# Altium PCB 宠物机器人&导购机器人.PcbDoc (part 13 of 14)
Units mil, origin at the board's own origin, x right, y up, seen from the top; angles counter-clockwise.
Board outline 6899.61 x 2204.72 mil, 2 copper layers (Top Layer, Bottom Layer); 229 components, 218 nets, 23463 pads, 263 vias.
Unrouted connection lines stored in the file: 107.
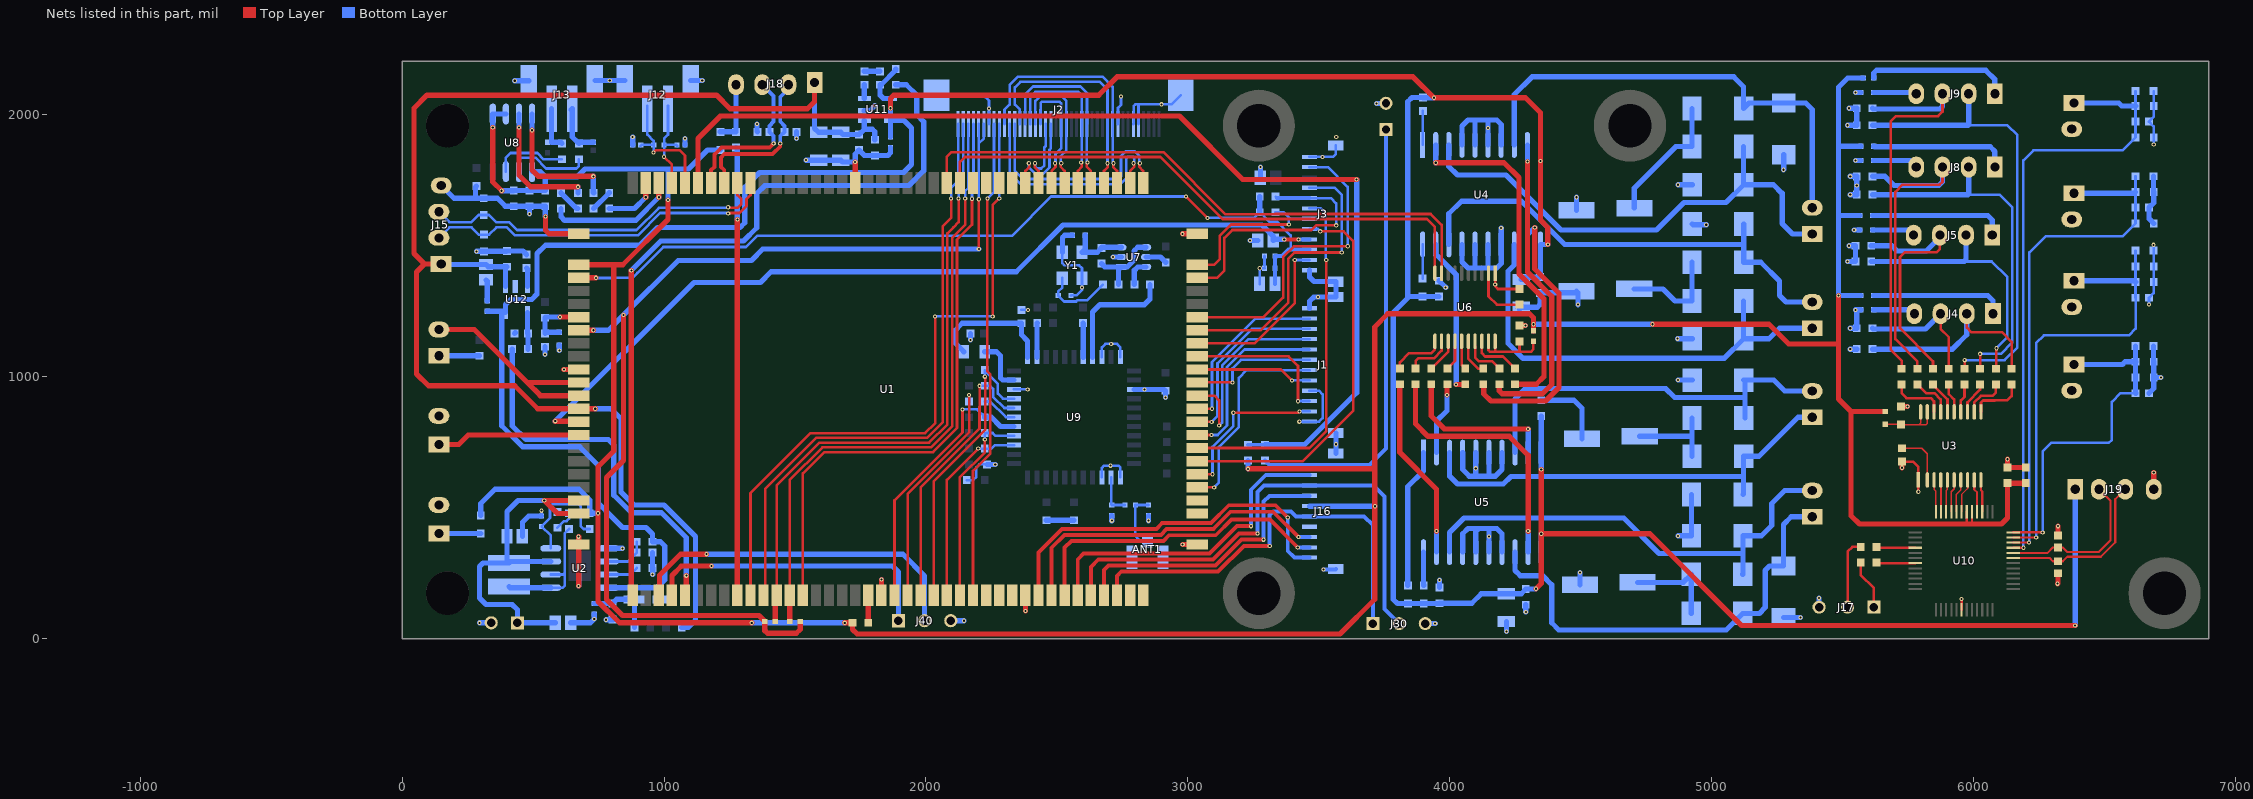
[diagram p13: the nets of this part, all layers, seen from the top]

## Via types
v1: diameter 16, hole 8, Top Layer to Bottom Layer, tented both sides, 263 vias

## Nets (pads, with @x,y where several pads share a name; then routed paths per layer and width w, separated by ;. In a path a pad name is that pad's centre, name@x,y a point inside that pad or via, vN(x,y) a via of type N, cw(c..) or ccw(c..) an arc to the next point about the centre after c; other vN are vias at no path point) (continued)
DC5V: C7.1 C8.2 C9.2 C15.1 C16.1 C18.2 C19.2 C44.2 C49.2 C55.1 C56.1 C57.2 J19.1 L1.1 R3.2 R28.2 R29.1 R30.2 R31.1 U2.8 U4.10 U4.11 U5.10 U5.11 U11.5 U12.5 | length 13986.6
  Top Layer w20: v1(1865,2025) 1865,2062.5 1877.5,2075 2660,2075 2730,2145 3860,2145 v1(3940,2065) 4290,2065 4347,2008 v1(4347,1823) 4347,1598 4375,1570 v1(4375,1505) ; v1(4330,190) 4350,210 v1(4350,400) ; v1(4350,645) v1(4350,400) ; v1(6389,50) 5115,50 4765,400 v1(4350,400)
  Bottom Layer w20: C49.2@325,1250 390,1250 U12.5@395,1245 395,1275 415,1295 495,1295 515,1315 515,1470 547,1502 906.54,1502 974.54,1570 1290,1570 1308,1588 1308,1723 1365,1780 1915,1780 1945,1810 1945,1950 1916.5,1978.5 U11.5@1865,1978.5 ; 380,1245 380,812.8 460.8,732 678,732 750,660 750,515 758.75,506.25 759.85,506.25 776.25,489.85 776.25,488.75 841,424 931,424 956,399 R3.2@956,369.5 986.24,369.5 1002.5,353.25 1002.5,223.25 973.5,194.25 887.5,194.25 ; C7.1@733.5,133.25 C8.2@802.5,133.25 818.75,149.5 C9.2@886,149.5 ; U2.8@787.5,194.25 887.5,194.25 ; L1.1@887.29,42.28 887.29,148.21 C9.2@886,149.5 ; C44.2@1865,1915 U11.5@1865,1978.5 ; v1(1865,2025) U11.5@1865,1978.5 ; v1(3940,2065) 3899,2065 R28.2@3898,2066 3856,2066 3840,2050 3840,1300 ; C15.1@3960,1306.5 3959.5,1306 R29.1@3897,1306 3846,1306 3840,1300 ; C56.1@4274,1371.15 4282.85,1380 C19.2@4345,1380 4347,1382 U4.11@4347,1505 v1(4375,1505) ; v1(4330,190) 4328.71,188.71 C57.2@4291,188.71 4273.44,171.15 C55.1@4217,171.15 4121.15,171.15 4084.5,134.5 C16.1@3961.25,134.5 3960.75,134 R31.1@3901.25,134 3900.54,133.29 R30.2@3841,133.29 3801,133.29 3785,149.29 3785,1245 3840,1300 ; v1(4347,1823) U4.10@4347,1884.92 ; U5.11@4350,330.08 v1(4350,400) ; v1@4350,647 U5.10@4350,710 C18.2@4350,850 ; v1(6389,50) J19.1@6389,570 ; C9.2@886,149.5 886,192.76 887.5,194.25
DM: D23.2 J19.2 U10.32 | length 620
  Top Layer w8: U10.32@6152.17,326.91 6182.17,326.91 6183.01,326.06 6282.56,326.06 6304,347.5 D23.2@6323,347.5 6342,347.5 6359.25,330.25 6479.25,330.25 6524,375 6524,526 J19.2@6480,570
DOVDD-CSI: C4.1 C5.1 C6.1 J3.10 R6.2 R7.1 U1.2 | length 3288.4
  Top Layer w10: v1(2993,1688) v1(3075,1606)
  Top Layer w20: U1.2@673.9,1377.4 v1(740,1377.4)
  Bottom Layer w10: 795,1377.4 879.93,1377.4 898,1395.47 898,1395.88 997.12,1495 1312.58,1495 1355.69,1538.11 2223.24,1538.11 2223.35,1538 2328,1538 2478,1688 v1@2991,1688 ; v1@3075,1607.5 3254.5,1607.5 R6.2@3275,1628 3311,1592 3340,1592 3393,1539 3393,1486 3394,1485
  Bottom Layer w12: v1(740,1377.4) 795,1377.4
  Bottom Layer w15: C5.1@3333.31,1354 C4.1@3333.31,1414 C6.1@3333.31,1461 3360,1461 3384,1485 3394,1485 J3.10@3465,1485
  Bottom Layer w20: R6.2@3275,1628 R7.1@3275,1688
DP: D24.2 J19.3 U10.31 | length 643.8
  Top Layer w8: U10.31@6152.17,307.22 6182.17,307.22 6183.01,308.06 6290.94,308.06 6304,295 D24.2@6323,295 6342,295 6359.25,312.25 6486.71,312.25 6542,367.54 6542,532 J19.3@6580,570
DVDD1V8-CSI: C2.1 J3.9 U1.13 | length 3316.8
  Top Layer w15: v1(3368.37,1524.37) v1(3422.63,1524.37)
  Top Layer w20: v1(584.6,830) 671.3,830 U1.13@673.9,827.4
  Bottom Layer w15: v1(3422.63,1524.37) J3.9@3465,1524.37
  Bottom Layer w20: v1(584.6,830) 1114.6,1360 1368.5,1360 1409.1,1400.6 2345.2,1400.6 2524.1,1579.5 3282.95,1579.5 3326.84,1535.61 C2.1@3326.84,1520 3331.21,1524.37 v1(3368.37,1524.37)
ECH1: J4.3 L4.2 R20.1 | length 508.1
  Top Layer w10: J4.3@5875,1240.37 5875,1182 5906.21,1150.79 R20.1@5906.21,1030.35
  Bottom Layer w20: L4.2@5615,1185 5617.63,1182.37 5817,1182.37 J4.3@5875,1240.37
ECH2: J5.3 L5.2 R17.1 | length 997
  Top Layer w10: R17.1@5846.21,1030.35 5846.21,1058.71 5720,1184.91 5720,1457 5738,1475 5860,1475 5872.21,1487.21 J5.3@5872.21,1540.35
  Bottom Layer w20: L5.2@5610,1500 5689,1500 5709,1480 5820,1480 5872.21,1532.21 J5.3@5872.21,1540.35
ECH3: J8.3 L8.2 R16.1 | length 1306.4
  Top Layer w10: R16.1@5786.21,1030.35 5786.21,1058.79 5702,1143 5702,1706 5729,1733 5871,1733 5882.21,1744.21 J8.3@5882.21,1800.35
  Bottom Layer w20: L8.2@5615,1765 5662.21,1765 5697.21,1730 5868,1730 5882.21,1744.21 J8.3@5882.21,1800.35
ECH4: J9.3 L9.2 R15.1 | length 1564.5
  Top Layer w10: R15.1@5726.21,1030.35 5726.21,1060.79 5684,1103 5684,1975 5704,1995 5865,1995 5882.21,2012.21 J9.3@5882.21,2080.35
  Bottom Layer w20: L9.2@5615,2025 5617.79,2022.21 5872.21,2022.21 5882.21,2032.21 J9.3@5882.21,2080.35
G2: U1.96 U6.9 | length 2296.7
  Top Layer w10: U1.96@2080,1739.8 2080,1840 2097,1857 2908,1857 3145,1620 3333.85,1620 3334.85,1621 3927.63,1621 3969.37,1579.26 U6.9@3969.37,1395
G3: U1.95 U6.10 | length 2189
  Top Layer w10: U1.95@2130,1739.8 2130,1820 2149,1839 2896,1839 3133,1602 3913,1602 3943.78,1571.22 U6.10@3943.78,1395
G4: U1.94
G5: U1.93
G6: U1.92
G7: U1.91
GND: ANT1.2 ANT1.3 C1.2 C2.2 C3.2 C4.2 C5.2 C6.2 C7.2 C8.1 C9.1 C10.1 C11.2 C12.2 C13.1 C14.2 C15.2 C16.2 C17.1 C18.1 C19.1 C20.2 C21.2 C22.1 C26.2 C27.2 C29.2 C31.2 C32.2 C33.2 C34.2 C35.2 C36.2 C37.2 C38.2 C39.2 C40.1 C41.1 C42.1 C44.1 C45.2 C46.2 C47.1 C48.1 C49.1 C50.2 C51.2 C52.1 C53.2 C54.2 C55.2 C56.2 C57.1 D5.1 D6.1 D7.1 D8.1 D13.1 D14.1 D15.1 D16.1 D19.2 D20.2 D21.1 D22.1 D23.1 D24.1 EC1.2 EC2.2 EC3.2 EC4.2 J1.1 J1.9 J1.12 J1.13 J1.14 J2.5 J2.6 J2.9 J2.34 J2.41 J2.42 J3.1 J3.12 J3.13 J3.14 J12.3 J12.4 J13.3 J13.4 J14.2 J15.4 J16.7 J16.11 J16.12 J17.3 J19.4 J20.2 J22.2 J30.3 J40.3 J50.2 L4.1 L5.1 L6.1 L7.1 L8.1 L9.1 L10.1 L11.1 L12.1 L13.1 L15.1 L17.1 L18.1 R2.1 R5.1 R10.2 R11.2 R18.2 R19.2 R41.2 R42.2 R47.2 R51.2 R54.2 R55.1 R56.2 R57.2 R61.2 R62.2 R65.2 R69.1 R70.1 R73.2 R81.1 R82.1 SW1.2 SW2.2 SW3.2 SW4.2 U1.9 U1.40 U1.51 U1.103 U1.121 U1.122 U1.123 U1.124 U2.5 U3.1 U4.4 U4.5 U4.6 U4.7 U4.14 U4.15 U4.16 U4.17 U5.4 U5.5 U5.6 U5.7 U5.14 U5.15 U5.16 U5.17 U6.1 U7.2 U9.1 U9.3 U9.20 U9.31 U9.33 U9.36 U10.18 U11.2 U12.2 Y1.2 Y1.4 | length 11712.4
  Top Layer w10: U6.1@4174.09,1395 v1(4174.09,1351.69) 4174.09,1345.39 4184.57,1334.92 C17.1@4266.73,1334.92 ; C13.1@5727.94,675.42 5769.58,675.42 5789.84,655.16 U3.1@5789.84,605.5 5789.84,560.16 v1(5790,560.31) ; U10.18@5955.32,110.37 v1(5955.32,150.68)
  Top Layer w20: v1(547,1612) 547,1559 560.49,1545.51 U1.121@673.9,1545.51 ; v1(617.4,1027.4) U1.9@673.9,1027.4 ; v1(673.9,201.1) U1.122@673.9,359.29 v1(673.9,388.9) ; U1.103@1730,1739.8 v1(1730,1820) ; U1.40@1830,165 v1(1830,225) ; v1(2380,105) U1.51@2380,165 ; v1(2980.51,1545.51) U1.124@3036.1,1545.51 ; v1(2980.71,359.29) U1.123@3036.1,359.29 ; C14.2@4266.73,1194.92 4266.81,1195 v1(4290,1195) ; C12.2@5723.94,885.92 v1(5749.08,885.92) ; v1(5727.94,652.06) C13.1@5727.94,675.42 ; v1(6130.5,684.5) C38.2@6130.5,653.37 C39.2@6200.5,653.37 ; v1(6322,209.38) 6323,210.38 D24.1@6323,249 ; D23.1@6323,393.5 v1(6323,429) ; J19.4@6689,570 v1(6689,634)
  Bottom Layer w10: C11.2@532.5,468.25 v1(532.5,488.25) ; J2.41@2040.16,2074.57 2220.43,2074.57 2240.94,2054.06 v1(2240.94,2024.06) J2.34@2240.94,1965 ; R73.2@2156,605 2180,605 2192.5,617.5 2192.5,653.04 2204.46,665 C54.2@2233.5,665 ; U9.20@2336.34,951.3 v1(2388.7,951.3) ; C48.1@2365,1255 v1(2390,1255) ; Y1.2@2521.18,1475 2521.18,1433.82 2530,1425 2585,1425 2595.98,1414.02 Y1.4@2595.98,1376.57 v1(2595.98,1340) 2595.98,1330.98 2575.5,1310.5 2554.5,1310.5 C20.2@2554,1310 ; U9.3@2671.97,615.67 2671.97,651.97 2680,660 v1(2705,660) 2735,660 2742.83,652.17 U9.1@2742.83,615.67 ; U9.31@2671.97,1074.33 2671.97,1111.97 2685,1125 v1(2707.5,1125) 2730,1125 2742.83,1112.17 U9.33@2742.83,1074.33 ; J2.9@2733.07,1965 2733.85,1965.78 2733.85,2026.87 2745,2038.01 v1(2745,2070) ; J2.6@2792.13,1965 2793.44,1966.32 2793.44,2033.44 2800,2040 2815,2040 ; J2.5@2811.81,1965 2811.81,2036.81 2815,2040 ; J2.42@2973.23,2074.57 2938.65,2040 v1(2900,2040) 2815,2040 ; C5.2@3274.26,1354 3274.26,1413.26 v1(3275,1414) C4.2@3293.31,1414 ; C6.2@3293.31,1461 3293.31,1424.39 3293.63,1424.08 ; v1(3426.15,828.15) J1.12@3465,828.15 3501.9,828.15 3515,841.25 3515,932 3500.74,946.26 J1.9@3465,946.26 ; J3.1@3465,1839.33 v1(3515,1839.33) 3554.33,1839.33 3565.79,1850.79 J3.13@3565.79,1882.64 ; v1(6671,1276) L15.1@6671,1301.25 6688.5,1318.75 C27.2@6688.5,1481.25 v1(6688.5,1503.5) ; C37.2@6688.5,2090.37 6688.5,2034.37 R57.2@6689,2033.87 6689,1991.87 L18.1@6671,1973.87 6689,1955.87 R62.2@6689,1913.87 v1(6689,1886)
  Bottom Layer w15: v1(3519,264) 3564.31,264 J16.12@3565.79,265.47
  Bottom Layer w20: J15.4@149,1730 197.5,1681.5 280,1681.5 ; v1(283.5,1478.5) D19.2@312.04,1478.5 398.5,1478.5 C53.2@400,1480 461,1480 R82.1@475,1466 ; L12.1@284,1728 280,1724 280,1681.5 ; v1(295,60) J14.2@340,60 ; C40.1@320,1369.47 325,1364.47 C49.1@325,1290 ; R81.1@429,1165 R81.1@432,1168 ; v1(430,2130) 483.03,2130 J13.3@484.03,2131 ; C10.1@459.06,390 459.06,444.06 483.25,468.25 C11.2@532.5,468.25 ; v1(486.25,1621.25) C34.2@486.25,1651 ; v1(545,1085) R55.1@545,1114 ; v1(547,1612) 546.25,1612.75 C29.2@546.25,1651 C34.2@486.25,1651 ; v1(600,1100) C33.2@600,1121 ; C32.2@643.53,60 719.24,60 v1(733.5,74.25) C7.2@733.5,93.25 ; v1(673.9,201.1) 673.9,274.65 677.5,278.25 ; J13.4@736,2131 v1(792.82,2131) J12.3@849.65,2131 ; v1(778,71.76) 803.99,71.76 C8.1@802.5,73.25 ; U2.5@787.5,344.25 v1(841.5,344.25) ; C22.1@880.31,1885 v1(880.31,1915) ; R5.1@956,328.5 R2.1@956,269.5 956.5,269.01 v1(956.5,244.5) ; C26.2@1080.31,1885 v1(1080.31,1910) ; J12.4@1101.61,2131 v1(1146,2131) ; v1(1355,1965) 1355,1936.5 D21.1@1356.5,1935 ; v1(1506,1910) D22.1@1506,1935 ; v1(1541.85,1826.85) C51.2@1590,1826.85 C50.2@1675,1826.85 1681.85,1820 v1(1730,1820) 1730,1850 C52.1@1745,1865 1765,1845 C45.2@1805,1845 1855,1845 1865,1855 C44.1@1865,1875 ; U11.2@1765,2015.5 1785.5,2015.5 v1(1805,2035) ; R70.1@1765,2166 R69.1@1825,2166 ; J40.3@2095,68 v1(2145,68) ; v1(2170,1140) C47.1@2170,1165 ; C54.2@2233.5,665 v1(2265,665) ; C46.2@2460,451.5 R65.2@2565,451.5 ; Y1.2@2521.18,1475 2521.18,1531.18 2530,1540 C31.2@2560,1540 ; v1(2710,450) C42.1@2710,470 ; v1(2714.43,1456.57) U7.2@2746.5,1456.57 ; U9.36@2795,951.3 v1(2835,951.3) 2909.7,951.3 R61.2@2915,946 v1(2915,920) ; v1(2850,450) C41.1@2850,470 ; v1(3238,1520) C2.2@3267.79,1520 ; C3.2@3277.47,1760 3278,1760.53 v1(3278,1801) ; J1.1@3465,1261.22 3465,1288 3481.53,1304.53 v1(3498,1304.53) J1.13@3565.79,1304.53 J3.14@3565.79,1362.95 3482.05,1362.95 3465,1380 J3.12@3465,1406.26 ; J16.11@3565.79,706.42 v1(3565.79,742) J1.14@3565.79,784.84 ; v1(3721,2043) 3756,2043 J50.2@3757,2044 ; J30.3@3907,57 v1(3945,57) ; C15.2@3960,1366.5 3985,1341.5 v1(3985,1340) ; v1(3961,223.29) 3961.25,223.04 C16.2@3961.25,194.5 ; U4.17@4047,1505 4047,1438 4070,1415 4095,1415 ; U4.4@4047,1884.92 4047,1957 4070,1980 4100,1980 ; U5.17@4050,330.08 4050,400 4070,420 4112.5,420 ; U5.4@4050,710 4050,645 4075,620 4100,620 ; U4.16@4097,1505 4097,1417 4095,1415 ; U4.5@4097,1884.92 4097,1977 4100,1980 ; U5.16@4100,330.08 4100,407.5 4112.5,420 ; U5.5@4100,710 v1(4100,650) 4100,620 ; U4.15@4147,1505 4147,1417 4145,1415 ; U4.6@4147,1884.92 v1(4147,1950) 4147,1977 4150,1980 ; U5.15@4150,330.08 v1(4150,390) 4150,415 4155,420 ; U5.6@4150,710 4150,620 ; v1(4197,1568) U4.14@4197,1505 4197,1432 4180,1415 4145,1415 ; U4.7@4197,1884.92 4197,1963 4180,1980 4150,1980 ; U5.14@4200,330.08 4200,400 4180,420 4155,420 ; U5.7@4200,710 4200,645 4175,620 4150,620 ; v1(4217,27) C55.2@4217,64.85 ; C56.2@4266.73,1257.58 C56.2@4274,1264.85 4334.85,1264.85 4345,1275 C19.1@4345,1320 4478.53,1320 EC2.2@4484.53,1326 4490,1320.53 v1(4490,1275) ; v1(4291,101) C57.1@4291,128.71 ; C18.1@4350,910 4475,910 4505.53,879.47 EC3.2@4505.53,763 ; EC1.2@4485,1635 v1(4485,1685) ; EC4.2@4497.53,205 v1(4497.53,252.53) ; v1(4870,1145) D15.1@4926.69,1145 ; v1(4872,392) D8.1@4923.69,392 D7.1@4923.69,550 ; v1(4872,987) D14.1@4926.69,987 ; v1(4872,1733) D5.1@4926.69,1733 ; D6.1@4926.69,1583 4929.69,1580 v1(4980,1580) ; D16.1@5275,80 v1(5340,80) ; v1(5275,1790) 5276,1791 D13.1@5276,1848.15 ; J17.3@5411,120 v1(5411,155) ; v1(5520,1440) L7.1@5550,1440 L5.1@5550,1500 v1(5525,1500) ; v1(5520,1960) L11.1@5555,1960 L9.1@5555,2025 v1(5525,2025) ; v1(5530,1105) L6.1@5555,1105 ; v1(5530,1185) L4.1@5555,1185 5555,1250 v1(5550,1255) 5550.16,1255.16 R10.2@5571,1255.16 ; v1(5530,1695) L10.1@5555,1695 v1(5555,1730) L8.1@5555,1765 v1(5530,1765) ; v1(5545,1560) R11.2@5566,1560 ; v1(5550,1825) R18.2@5571,1825 ; v1(5550,2085) R19.2@5571,2085 ; L13.1@6671,936.69 6689,954.69 R42.2@6689,996.69 ; C21.2@6688.5,1116.69 6688.5,1057.19 R41.2@6689,1056.69 R42.2@6689,996.69 ; C35.2@6688.5,1765.37 6688.5,1705.87 R54.2@6689,1705.37 6689,1663.37 L17.1@6671,1645.37 6671,1603.37 R56.2@6689,1585.37 ; v1(6716.69,996.69) R42.2@6689,996.69 ; 280,1681.5 D20.2@311.54,1681.5 363.5,1681.5 394,1651 C36.2@426.25,1651 C34.2@486.25,1651 ; 4095,1415 4145,1415 ; 4100,620 4150,620 ; 4100,1980 4150,1980 ; 4112.5,420 4155,420
  other v1: 3567,1915
HOST2_5V: C40.2 C45.1 C50.1 C51.1 C52.2 C53.1 J15.1 J18.1 L2.2 U1.12 U11.1 U12.1 | length 5458.8
  Top Layer w20: J15.1@149,1430 85,1430 ; v1(737.4,877.4) U1.12@673.9,877.4 517.6,877.4 430,965 100,965 55,1010 55,1400 85,1430 ; J18.1@1575,2124 1575,2050 1548,2023 1252,2023 1200,2075 95,2075 45,2025 45,1470 85,1430
  Bottom Layer w20: J15.1@149,1430 150.47,1428.53 C40.2@320,1428.53 328.53,1420 C53.1@400,1420 395,1415 U12.1@395,1345 ; v1(737.4,877.4) 797.6,877.4 836,839 836,559 885,510 1000,510 1120,390 1120,70 1092.28,42.28 L2.2@1067.5,42.28 ; J18.1@1575,2124 1575,1948.15 C51.1@1590,1933.15 C50.1@1675,1933.15 1683.15,1925 C52.2@1745,1925 1765,1945 ; U11.1@1765,1978.5 1765,1945 ; C45.1@1805,1905 1805,1935 1795,1945 1765,1945
HPL: C25.1 U1.118 | length 502.1
  Top Layer w20: v1(980,1685) U1.118@980,1739.8
  Bottom Layer w20: C25.1@606,1642 606,1611 620,1597 892,1597 v1(980,1685)
HPR: C28.1 U1.119 | length 211.6
  Top Layer w20: v1(930,1685) U1.119@930,1739.8
  Bottom Layer w20: C28.1@791,1642 887,1642 v1(930,1685)
INPUT1: R33.1 U4.2 | length 1330.9
  Top Layer w20: v1(3947,1817) 4208,1817 4265,1760 4265,1392.11 4360,1297.11 4360,1000 4330.92,970.92 R33.1@4250,970.92
  Bottom Layer w20: v1(3947,1817) U4.2@3947,1884.92
INPUT2: R34.1 U4.9 | length 1198
  Top Layer w20: R34.1@4190,970.92 4190,945 4200,935 4355,935 4390,970 4390,1306.71 4297,1399.71 v1(4297,1822)
  Bottom Layer w20: v1(4297,1822) U4.9@4297,1884.92
INPUT3: R35.1 U4.12 | length 1067.6
  Top Layer w20: 4130,955 4130,935 4158,907 4366.6,907 4418,958.4 4418,1318.31 4325,1411.31 v1(4325,1570)
  Bottom Layer w20: U4.12@4297,1505 4297,1542 v1(4325,1570)
INPUT4: R36.1 U4.19 | length 602.7
  Top Layer w20: v1(4025,970) 4059.06,970 R36.1@4059.98,970.92
  Bottom Layer w20: U4.19@3947,1505 3947,1468 4025,1390 v1(4025,970)
INPUT5: R37.1 U5.2 | length 278.1
  Top Layer w20: v1(3990,930) 3990,969.5 R37.1@3991.42,970.92
  Bottom Layer w20: U5.2@3950,710 3950,830 3990,870 v1(3990,930)
INPUT6: R38.1 U5.9 | length 601.6
  Top Layer w20: R38.1@3930,970.92 3930,850 3980,800 v1(4300,800)
  Bottom Layer w20: U5.9@4300,710 v1(4300,800)
INPUT7: R39.1 U5.12 | length 1000.5
  Top Layer w20: R39.1@3870,970.92 3870,820 3918,772 4228,772 4300,700 v1(4300,410)
  Bottom Layer w20: U5.12@4300,330.08 v1(4300,410)
INPUT8: R40.1 U5.19 | length 698.8
  Top Layer w20: R40.1@3810,970.92 3810,710 3950,570 v1(3950,410)
  Bottom Layer w20: U5.19@3950,330.08 v1(3950,410)
LCD-BL-EN: J2.33 U1.47 | length 1843.3
  Top Layer w10: U1.47@2180,165 2180,640.54 2246,706.54 2246,1008.7 2234,1020.7 2234,1679 v1(2235,1680)
  Bottom Layer w10: v1(2235,1680) 2260,1705 2260,1964.37 J2.33@2260.63,1965
LCD-PWM: J2.32 U1.30 | length 2579.2
  Top Layer w10: U1.30@1330,165 1330,555 1559,784 1997.18,784 2035,821.82 v1(2035,1230) ; v1(2255,1230) 2255,1655 v1(2280,1680)
  Bottom Layer w10: v1(2035,1230) v1(2255,1230) ; v1(2280,1680) 2280,1964.68 J2.32@2280.31,1965
LCDS0_VN3: J2.29 U1.81 | length 874.7
  Top Layer w10: v1(2817,1815) 2815,1813 2815,1801.14 2830,1786.14 U1.81@2830,1739.8
  Bottom Layer w10: J2.29@2339.37,1965 2339.37,1785.63 2370,1755 2735,1755 2745,1765 2745,1842.28 2762.72,1860 2798.28,1860 2815,1843.28 2815,1817 v1(2817,1815)
LCDS0_VP3: J2.30 U1.82 | length 874.6
  Top Layer w10: U1.82@2780,1739.8 2780,1786.14 2795,1801.14 2795,1813 v1(2793,1815)
  Bottom Layer w10: J2.30@2319.69,1965 2319.69,1777.03 2361.72,1735 2743.28,1735 2765,1756.72 2765,1834 2771,1840 2790,1840 2795,1835 2795,1817 v1(2793,1815)
LRADC0: R58.2 R63.1 U1.115 | length 4132.2
  Top Layer w20: U1.115@1130,1739.8 1130,1910 1215,1995 2967.98,1995 3209.98,1753 v1(3645,1753)
  Bottom Layer w15: R58.2@3230,740 R63.1@3295,740
  Bottom Layer w20: R63.1@3295,740 3446.28,740 3645,938.72 v1(3645,1753)
LVDS0_VN0: J2.23 U1.89 | length 297.8
  Top Layer w10: v1(2417,1815) 2415,1813 2415,1801.14 2430,1786.14 U1.89@2430,1739.8
  Bottom Layer w10: v1(2417,1815) 2417,1803 2425,1795 2440,1795 2452,1807 2452,1875 2457.48,1880.48 J2.23@2457.48,1965
LVDS0_VN1: J2.19 J2.25 U1.87 | length 551
  Top Layer w10: v1(2517,1815) 2515,1813 2515,1801.14 2530,1786.14 U1.87@2530,1739.8
  Bottom Layer w10: J2.25@2418.11,1965 2418.11,2020 2417.95,2020.16 2417.95,2052.95 2435,2070 2520,2070 2536.54,2053.46 2536.54,1863.54 2515,1842 2515,1817 v1(2517,1815)
LVDS0_VN2: J2.15 J2.27 U1.85 | length 722.8
  Top Layer w10: v1(2617,1818) 2615,1816 2615,1801.14 2630,1786.14 U1.85@2630,1739.8
  Bottom Layer w10: J2.27@2378.74,1965 2378.74,2077.02 2409.72,2108 2590.28,2108 2615.28,2083.01 J2.15@2615.28,1965 ; J2.15@2614.96,1965 2614.96,1820.04 v1(2617,1818)
LVDS0_VNC: J2.10 J2.31 U1.83 | length 955.4
  Top Layer w10: v1(2717,1815) 2715,1813 2715,1801.14 2730,1786.14 U1.83@2730,1739.8
  Bottom Layer w10: J2.31@2300,1965 2300,2020 2319.53,2039.53 2319.53,2113.28 2352.24,2146 2674,2146 2713.39,2106.61 J2.10@2713.39,1965 2713.39,1818.61 v1(2717,1815)
LVDS0_VP0: J2.22 U1.90 | length 366
  Top Layer w10: U1.90@2380,1739.8 2380,1786.14 2395,1801.14 2395,1813 v1(2393,1815)
  Bottom Layer w10: v1(2393,1815) 2393,1798.72 2416.72,1775 2448.28,1775 2472,1798.72 2472,1866.72 2477.48,1872.2 2477.48,1897.2 ; 2477.17,1896.88 J2.22@2477.17,1965
LVDS0_VP1: J2.20 J2.24 U1.88 | length 483.7
  Top Layer w10: U1.88@2480,1739.8 2480,1786.14 2495,1801.14 2495,1813 v1(2493,1815)
  Bottom Layer w10: J2.24@2437.8,1965 2437.8,2020 2437.95,2020.16 2437.95,2044.67 2443.28,2050 2510,2050 2516.54,2043.46 J2.20@2516.54,1965 2516.54,1871.82 2495,1850.28 2495,1817 v1(2493,1815)
LVDS0_VP2: J2.16 J2.26 U1.86 | length 656.8
  Top Layer w10: U1.86@2580,1739.8 2580,1786.14 2595,1801.14 2595,1816 v1(2593,1818)
  Bottom Layer w10: J2.26@2398.43,1965 2398.43,2068.43 2418,2088 2582,2088 2595.28,2074.72 J2.16@2595.28,1965 2595.28,1820.28 v1(2593,1818)
LVDS0_VPC: J2.11 J2.28 U1.84 | length 886.8
  Top Layer w10: U1.84@2680,1739.8 2680,1786.14 2695,1801.14 2695,1813 v1(2693,1815)
  Bottom Layer w10: J2.28@2359.06,1965 2359.06,2020 2339.53,2039.53 2339.53,2105 2360.53,2126 2664,2126 2693.7,2096.3 J2.11@2693.7,1965 v1@2693.7,1815
MCLK-IN: R44.1 U9.30 | length 467.7
  Bottom Layer w20: U9.30@2636.54,1074.33 2636.54,1246.54 2665,1275 2835,1275 2855.98,1295.98 R44.1@2855.98,1351.57
MIC+: C22.2 C24.1 J12.1 U1.116 | length 483.6
  Top Layer w10: v1(960.31,1856.31) 969,1865 1059,1865 1080,1844 U1.116@1080,1739.8 U1.116@1075,1744.8
  Bottom Layer w10: C22.2@910.31,1881 914.31,1885 C24.1@960.31,1885 ; J12.1@936.26,2035 J12.1@936.26,2022.73 936.26,1924.74 960.31,1900.69 C24.1@960.31,1885 ; v1(960.31,1856.31) C24.1@960.31,1885
MIC-: C24.2 C26.1 J12.2 U1.117 | length 372.3
  Top Layer w10: v1(1000.31,1839.69) 1030,1810 U1.117@1030,1739.8 U1.117@1035,1744.8
  Bottom Layer w10: v1(1000.31,1839.69) C24.2@1000.31,1885 ; J12.2@1015,2035 J12.2@1015,2022.73 1015,1924 1000.31,1909.31 C24.2@1000.31,1885 ; C26.1@1050.31,1881 1046.31,1885 C24.2@1000.31,1885
NetANT1_1: ANT1.1 C41.2 C43.2 | length 221.3
  Bottom Layer w10: ANT1.1@2845.94,370.04 2834.05,370.04 cw(c2834.05,404.05) 2810,380 cw(c2834.14,404.14) 2800,404.14 C43.2@2800,510 C41.2@2850,510
NetC1_1: C1.1 R1.1 | length 79.5
  Bottom Layer w10: C1.1@592.5,423.25 617.5,448.25 627.5,448.25 637.5,458.25 R1.1@637.5,478.25
NetC11_1: C11.1 R4.1 U2.4 | length 426.4
  Bottom Layer w10: U2.4@567.5,344.25 567.5,393.25 C11.1@532.5,428.25 564.5,460.25 564.5,503.64 574.11,513.25 672.5,513.25 682.5,503.25 682.5,428.25 692.5,418.25 R4.1@716.5,418.25
NetC12_1: C12.1 R12.1 U3.19 U3.20 | length 257.6
  Top Layer w6: R12.1@5663.94,817.92 5722.94,817.92 C12.1@5723.94,816.92 5792.92,816.92 ; U3.20@5798.84,865.35 5798.84,822.84 5792.92,816.92 ; U3.19@5824.43,865.35 5824.43,821.43 5819.92,816.92 5792.92,816.92
NetC13_2: C13.2 U3.2 | length 205.2
  Top Layer w6: C13.2@5727.94,726.42 5803.58,726.42 5824.43,705.57 U3.2@5824.43,605.5
NetC14_1: C14.1 R32.1 U6.19 U6.20 | length 323.5
  Top Layer w10: U6.19@4148.5,1135.16 4148.5,1101.5 4155,1095 4175,1095 ; U6.20@4174.09,1135.16 4174.09,1095.91 4175,1095 ; C14.1@4266.5,1135.16 C14.1@4266.73,1134.92 4266.73,1096.73 4265,1095 ; R32.1@4320,1135 4320,1105 4310,1095 4265,1095 ; 4175,1095 4265,1095
NetC17_2: C17.2 U6.2 | length 219.8
  Top Layer w10: U6.2@4148.5,1395 4148.5,1306.5 4180.08,1274.92 C17.2@4266.73,1274.92
NetC20_1: C20.1 R43.2 Y1.1 | length 280.5
  Bottom Layer w10: Y1.1@2521.18,1376.57 2521.18,1341.18 2505,1325 C20.1@2505,1310 2528,1287 2574.12,1287 2579.62,1292.5 2616.91,1292.5 R43.2@2675.98,1351.57
NetC23_1: C23.1 J13.1 L14.1 | length 169.8
  Bottom Layer w20: J13.1@570.65,2022.73 570.65,1896.15 570,1895.5 604.5,1895.5 L14.1@610,1890
NetC25_2: C25.2 R49.1 | length 89.9
  Bottom Layer w20: C25.2@606,1702 666,1642 R49.1@671,1642
NetC28_2: C28.2 R50.1 | length 84.9
  Bottom Layer w20: R50.1@731,1642 C28.2@791,1702
NetC30_1: C30.1 J13.2 L16.1 | length 205.4
  Bottom Layer w20: J13.2@646,2019.35 J13.2@649.39,2022.73 649.39,1915.61 L16.1@675,1890 680.5,1895.5 C30.1@730,1895.5
NetC31_1: C31.1 R46.1 U7.3 Y1.3 | length 230.2
  Bottom Layer w20: C31.1@2609,1540 2609,1488.02 Y1.3@2595.98,1475 2654.41,1475 R46.1@2670.98,1491.57 ; R46.1@2670,1492.56 R46.1@2670.98,1491.57 ; U7.3@2746.5,1493.98 2673.39,1493.98 R46.1@2670.98,1491.57
NetC42_2: C42.2 C43.1 U9.2 | length 156.4
  Bottom Layer w10: U9.2@2707.4,615.67 2707.4,516.27 ccw(c2716.27,516.27) C42.2@2710,510 C43.1@2760,510
NetC48_2: C48.2 L19.2 U9.23 | length 500.9
  Bottom Layer w20: L19.2@2145,1095 2110,1130 2110,1175 2139,1204 C48.2@2365,1204 2365,1160 2388.5,1136.5 U9.23@2388.5,1074.33